# KiCad board Soldered Inkplate 10.kicad_pcb
title: Soldered Inkplate 10; date: 2023-07-24; rev: V1.3.1.; company: SOLDERED; note: 333241
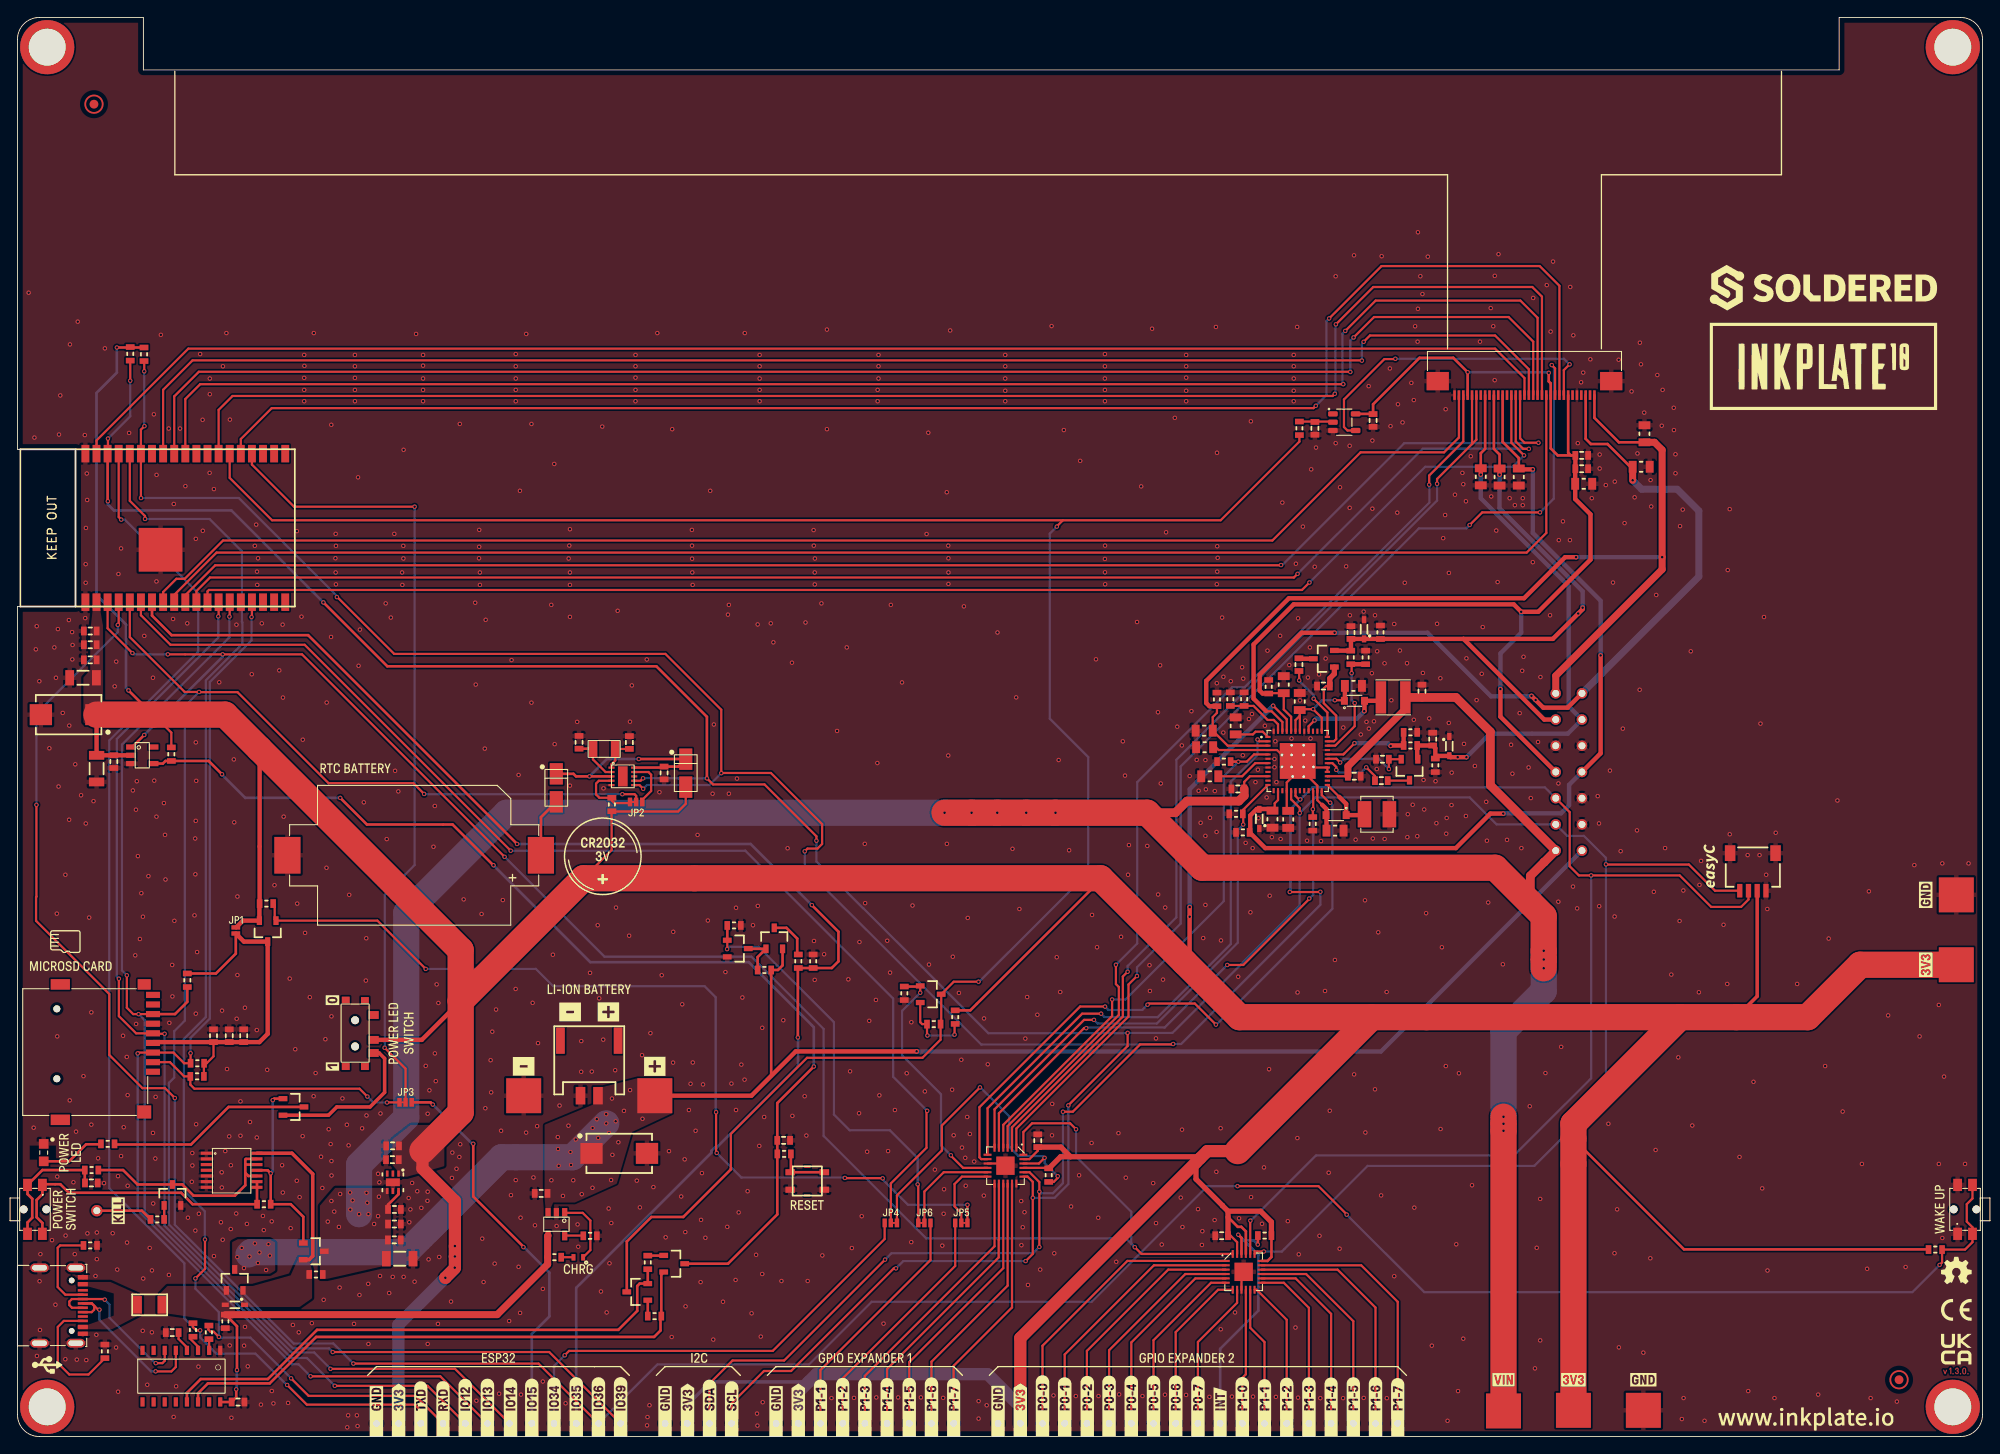
[diagram p0: board, top side]
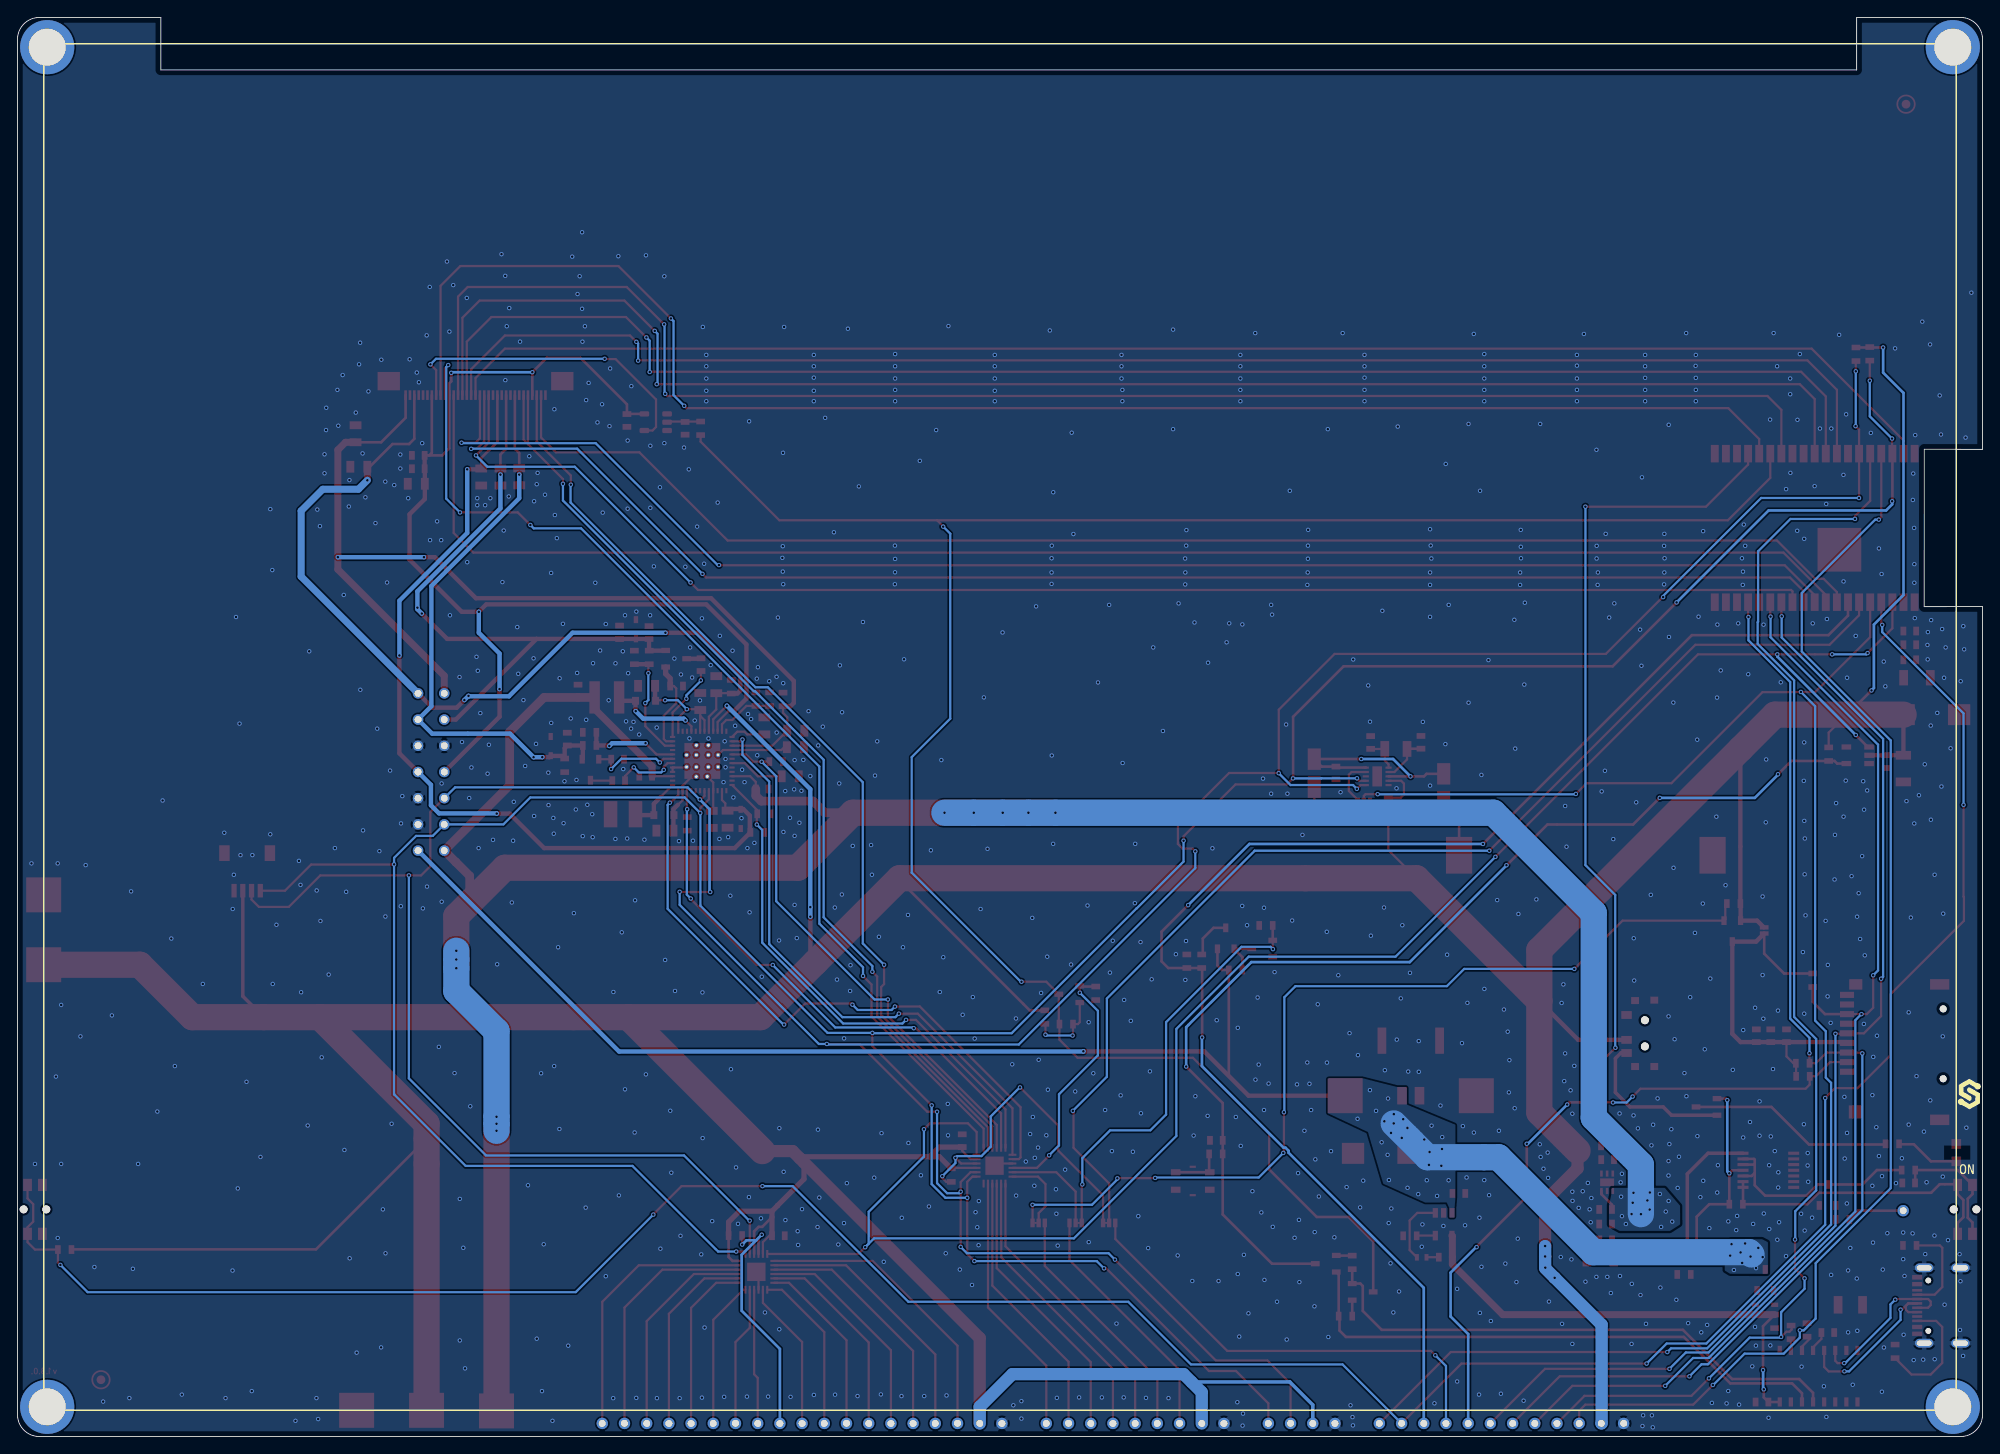
[diagram p1: board, bottom side, seen from below]

Outline 224.8 x 162.43 mm; copper layers: Top, Bottom. Coordinates in mm from the lower left corner of the outline.
Outline path: 0,159.93 arc(0.73,161.69) 2.5,162.43 14.4,162.43 14.4,156.43 208.4,156.43 208.4,162.43 222.3,162.43 arc(224.07,161.69) 224.8,159.93 224.8,2.5 arc(224.07,0.73) 222.3,0 2.5,0 arc(0.73,0.73) 0,2.5 0,95 6.67,94.99 6.66,113 0,112.99 0,159.93
Stack: Top 0.035mm / dielectric 1.51mm FR4 er 4.5 / Bottom 0.035mm

## Placement (name value [footprint] x y rotation side)
C1  4u7-TMK212AB7475KG-T  [0805C]  139.36 81.34 270 top
C2  4u7-TMK212AB7475KG-T  [0805C]  135.76 80.79 0 top
C3  4u7-TMK212AB7475KG-T  [0805C]  135.81 78.9 0 top
C4  4u7-TMK212AB7475KG-T  [0805C]  136.4 75.57 0 top
C5  10u-GRM188R61E106KA73J  [0603C]  139.61 74.12 0 top
C6  4u7-TMK212AB7475KG-T  [0805C]  143.57 70.66 90 top
C7  4u7-TMK212AB7475KG-T  [0805C]  145.37 70.64 90 top
C8  10u-GRM188R61E106KA73J  [0603C]  152.93 75.58 180 top
C9  4u7-TMK212AB7475KG-T  [0805C]  150.73 69.35 180 top
C10  10u-GRM188R61E106KA73J  [0603C]  160.67 85.32 270 top
C11  4u7-TMK212AB7475KG-T  [0805C]  152.83 85.92 180 top
C12  4u7-TMK212AB7475KG-T  [0805C]  146.69 84.13 270 top
C13  4u7-TMK212AB7475KG-T  [0805C]  144.86 86.06 270 top
C14  2u2-GRM188R61E225MA12D  [0603C]  152.55 92.03 270 top
C15  2u2-GRM188R61E225MA12D  [0603C]  161.9 79.82 270 top
C16  10n-AC0603KRX7R8BB103  [0603C]  156.03 75.07 180 top
C17  10n-AC0603KRX7R8BB103  [0603C]  146.6 88.35 90 top
C18  100n-AC0603KRX7R8BB104  [0603C]  156.15 77.53 0 top
C19  100n-AC0603KRX7R8BB104  [0603C]  149.4 85.9 0 top
C20  100n  [0603C]  25.23 3.95 180 top
C21  10u  [1206C]  9.05 76.45 90 top
C22  100n  [0603C]  17.7 11.9 0 top
C23  100n  [0603C]  11.03 77.25 90 top
C24  DNP  [2917C]  68.84 32.41 0 top
C25  2u2  [0603C]  59.91 27.82 0 top
C26  2u2  [0603C]  87.65 33.9 180 top
C27  10u  [1206C]  43.72 20.35 180 top
C28  2u2  [0603C]  43.11 22.51 180 top
C29  100n  [0603C]  43.12 24.32 180 top
C30  100n  [0603C]  43.12 25.99 180 top
C31  2u2  [0603C]  42.91 33.27 0 top
C32  100n  [0603C]  8.45 29.03 180 top
C33  100n  [0603C]  42.89 31.69 0 top
C34  12p  [0603C]  70 79.44 270 top
C35  12p  [0603C]  64.24 79.46 270 top
C36  100n  [0603C]  73.97 75.95 90 top
C37  2u2  [0603C]  25.88 45.88 270 top
C38  100n  [0603C]  24.23 45.88 270 top
C39  100n  [0603C]  22.43 45.88 270 top
C40  100p  [0603C]  148.43 115.4 90 top
C41  100n  [0603C]  155.08 116.3 90 top
C42  100n  [0603C]  178.95 110.78 180 top
C43  100n  [0603C]  178.95 112.3 180 top
C44  100n  [0603C]  116.72 33.86 270 top
C45  10u  [1206C]  7.5 86.85 0 top
C46  2u2  [0603C]  8.33 88.9 0 top
C47  100n  [0603C]  8.33 90.62 0 top
C48  100n  [0603C]  8.33 92.2 0 top
C49  DNP  [2917C]  5.85 82.62 180 top
C50  100n  [0603C]  137.75 22.99 0 top
C51  4u7-TMK212AB7475KG-T  [0805C]  186.13 114.78 270 top
C52  4u7-TMK212AB7475KG-T  [0805C]  169.55 109.83 90 top
C53  4u7-TMK212AB7475KG-T  [0805C]  167.4 109.85 90 top
C54  4u7-TMK212AB7475KG-T  [0805C]  185.75 111 180 top
C55  4u7-TMK212AB7475KG-T  [0805C]  179.17 109.05 180 top
C56  4u7-TMK212AB7475KG-T  [0805C]  171.75 109.83 90 top
D1  CUS10F30,H3F  [SOD-323-2]  150.85 71.12 180 top
D2  BAT20J  [SOD-323]  154.05 92.4 270 top
D3  CUS10F30,H3F  [SOD-323-2]  152.95 84.21 0 top
D4  BAT20J  [SOD-323]  142.06 70.69 270 top
D5  BAT20J  [SOD-323]  163.8 79.03 90 top
D6  BAT54S  [SOT-23-3]  159.25 76.32 270 top
D7  BAT54S  [SOT-23-3]  149.45 89.03 180 top
D8  RED  [0402LED]  64.16 20.51 0 top
D9  0603LED_SIDE  [LTST-S270GKT]  3 32.5 90 top
D10  BAT20J  [SOD-323]  24.88 15.08 0 top
D11  -  [M4_DIODA]  76.45 75.93 90 top
D12  -  [M4_DIODA]  61.64 74.25 90 top
F1  1206FUSE-500mA  [1206FUSE]  15.12 15.07 180 top
FD1  FIDUCIAL  [FIDUCIAL_23]  8.75 152.5 0 top
FD2  FIDUCIAL  [FIDUCIAL_23]  215.25 6.5 0 top
G***  LOGO  [Logo-Back-Soldered-3.5mm]  1.5 39.2 0 top
G***#2  LOGO  [Symbol-Front-USB]  3.4 8.2 270 top
G***#3  LOGO  [Symbol-Front-SDcard]  5.48 56.65 90 top
G***#4  LOGO  [Logo-Front-easyC-5mm]  193.65 65.3 90 top
G***#5  LOGO  [Logo-Front-OSH-3.5mm]  221.8 19 0 top
H1  -  [Standoff_M3]  221.4 159.03 0 top
H2  -  [Standoff_M3]  3.4 159.03 0 top
H3  -  [Standoff_M3]  221.4 3.4 0 top
H4  -  [Standoff_M3]  3.4 3.4 0 top
JP1  -  [SMD_JUMPER]  24.98 57.93 90 top
JP2  -  [SMD_JUMPER_3_PAD_CONNECTED_LEFT_TRACE]  70.77 72.63 0 top
JP3  -  [SMD_JUMPER_3_PAD_CONNECTED_LEFT_TRACE]  44.4 38.25 0 top
JP4  -  [SMD_JUMPER_3_PAD_CONNECTED_LEFT_TRACE]  99.91 24.45 180 top
JP5  -  [SMD_JUMPER_3_PAD_CONNECTED_LEFT_TRACE]  107.97 24.45 180 top
JP6  -  [SMD_JUMPER_3_PAD_CONNECTED_LEFT_TRACE]  103.75 24.45 0 top
K1  Inkplate_TP  [INKPLATE TEST HEADER]  177.47 76.06 0 top
K2  -  [U262-161N-4BVC11]  3 15 90 top
K3  easyC-SMD  [easyC-connector]  198.53 64.62 0 top
K4  -  [JST-2pin-SMD]  65.41 42.16 0 top
K5  -  [HEADER_MALE_1X1_Inkplate]  76.62 1.5 90 top
K6  -  [HEADER_MALE_1X1_Inkplate]  81.7 1.5 90 top
K7  -  [HEADER_MALE_1X1_Inkplate]  79.16 1.5 90 top
K8  -  [HEADER_MALE_1X1_Inkplate]  74.08 1.5 90 top
K9  -  [HEADER_MALE_1X1_Inkplate]  9.08 25.85 0 top
K10  CR2032_BS-6-1  [CR2032-BS-6-1]  45.38 66.53 0 top
K11  -  [HYC77-TF09-200]  10 44 270 top
K12  SFV33R-1STBE1HLF  [SFV33R-1STE9HLF]  172.4 120 180 top
K13  -  [HEADER_MALE_1X1_Inkplate]  61.38 1.5 180 top
K14  -  [HEADER_MALE_1X1_Inkplate]  63.92 1.5 180 top
K15  -  [HEADER_MALE_1X1_Inkplate]  43.6 1.5 0 top
K16  -  [HEADER_MALE_1X1_Inkplate]  46.14 1.5 180 top
K17  -  [HEADER_MALE_1X1_Inkplate]  48.68 1.5 180 top
K18  -  [HEADER_MALE_1X1_Inkplate]  94.4 1.5 180 top
K19  -  [HEADER_MALE_1X1_Inkplate]  96.94 1.5 180 top
K20  -  [HEADER_MALE_1X1_Inkplate]  99.48 1.5 180 top
K21  -  [HEADER_MALE_1X1_Inkplate]  104.56 1.5 180 top
K22  -  [HEADER_MALE_1X1_Inkplate]  107.1 1.5 180 top
K23  -  [HEADER_MALE_1X1_Inkplate]  102.02 1.5 180 top
K24  -  [HEADER_MALE_1X1_Inkplate]  91.86 1.5 180 top
K25  -  [HEADER_MALE_1X1_Inkplate]  56.3 1.5 180 top
K26  -  [HEADER_MALE_1X1_Inkplate]  51.22 1.5 180 top
K27  -  [HEADER_MALE_1X1_Inkplate]  53.76 1.5 180 top
K28  -  [HEADER_MALE_1X1_Inkplate]  117.26 1.5 0 top
K29  -  [HEADER_MALE_1X1_Inkplate]  119.8 1.5 0 top
K30  -  [HEADER_MALE_1X1_Inkplate]  122.34 1.5 0 top
K31  -  [HEADER_MALE_1X1_Inkplate]  124.88 1.5 0 top
K32  -  [HEADER_MALE_1X1_Inkplate]  127.42 1.5 0 top
K33  -  [HEADER_MALE_1X1_Inkplate]  129.96 1.5 0 top
K34  -  [HEADER_MALE_1X1_Inkplate]  132.5 1.5 0 top
K35  -  [HEADER_MALE_1X1_Inkplate]  135.04 1.5 0 top
K36  -  [HEADER_MALE_1X1_Inkplate]  69 1.5 180 top
K37  -  [HEADER_MALE_1X1_Inkplate]  66.46 1.5 180 top
K38  -  [HEADER_MALE_1X1_Inkplate]  58.84 1.5 180 top
K39  -  [HEADER_MALE_1X1_Inkplate]  140.12 1.5 0 top
K40  -  [HEADER_MALE_1X1_Inkplate]  142.66 1.5 0 top
K41  -  [HEADER_MALE_1X1_Inkplate]  145.2 1.5 0 top
K42  -  [HEADER_MALE_1X1_Inkplate]  147.74 1.5 0 top
K43  -  [HEADER_MALE_1X1_Inkplate]  150.28 1.5 0 top
K44  -  [HEADER_MALE_1X1_Inkplate]  152.82 1.5 0 top
K45  -  [HEADER_MALE_1X1_Inkplate]  155.36 1.5 0 top
K46  -  [HEADER_MALE_1X1_Inkplate]  157.9 1.5 0 top
K47  -  [HEADER_MALE_1X1_Inkplate]  114.72 1.5 0 top
K48  -  [HEADER_MALE_1X1_Inkplate]  112.18 1.5 0 top
K49  -  [HEADER_MALE_1X1_Inkplate]  137.58 1.5 0 top
K50  -  [HEADER_MALE_1X1_Inkplate]  89.32 1.5 0 top
K51  -  [HEADER_MALE_1X1_Inkplate]  86.78 1.5 0 top
K52  -  [HEADER_MALE_1X1_Inkplate]  41.06 1.5 0 top
kibuzzard-62EA6F76  G***  [kibuzzard-62EA6F76]  55.03 9 0 top
kibuzzard-62EA71AD  G***  [kibuzzard-62EA71AD]  132.5 3.51 90 top
kibuzzard-62EA71BF  G***  [kibuzzard-62EA71BF]  135.04 3.46 90 top
kibuzzard-62EA71CF  G***  [kibuzzard-62EA71CF]  137.58 2.83 90 top
kibuzzard-62EA72A0  G***  [kibuzzard-62EA72A0]  140.12 3.41 90 top
kibuzzard-62EA72B5  G***  [kibuzzard-62EA72B5]  142.66 3.29 90 top
kibuzzard-62EA72C4  G***  [kibuzzard-62EA72C4]  145.2 3.38 90 top
kibuzzard-62EA72D5  G***  [kibuzzard-62EA72D5]  147.74 3.4 90 top
kibuzzard-62EA72FE  G***  [kibuzzard-62EA72FE]  150.28 3.39 90 top
kibuzzard-62EA713E  G***  [kibuzzard-62EA713E]  117.26 3.52 90 top
kibuzzard-62EA717A  G***  [kibuzzard-62EA717A]  124.88 3.5 90 top
kibuzzard-62EA718B  G***  [kibuzzard-62EA718B]  127.42 3.5 90 top
kibuzzard-62EA719A  G***  [kibuzzard-62EA719A]  129.96 3.5 90 top
kibuzzard-62EA730E  G***  [kibuzzard-62EA730E]  152.82 3.41 90 top
kibuzzard-62EA738C  G***  [kibuzzard-62EA738C]  157.9 3.36 90 top
kibuzzard-62EA7151  G***  [kibuzzard-62EA7151]  119.8 3.4 90 top
kibuzzard-62EA7167  G***  [kibuzzard-62EA7167]  122.38 3.48 90 top
kibuzzard-62EA7320  G***  [kibuzzard-62EA7320]  155.36 3.41 90 top
kibuzzard-62EA7623  G***  [kibuzzard-62EA7623]  219.9 26 90 top
kibuzzard-62F64A5D  G***  [kibuzzard-62F64A5D]  6.1 53.85 0 top
kibuzzard-62F64B01  G***  [kibuzzard-62F64B01]  90.35 26.5 0 top
kibuzzard-62F64B1C  G***  [kibuzzard-62F64B1C]  64.16 19.18 0 top
kibuzzard-62F64C02  G***  [kibuzzard-62F64C02]  78 9 0 top
kibuzzard-62F64ED6  G***  [kibuzzard-62F64ED6]  24.98 59.12 0 top
kibuzzard-62F64EF1  G***  [kibuzzard-62F64EF1]  70.77 71.43 0 top
kibuzzard-62F64FB5  G***  [kibuzzard-62F64FB5]  103.75 25.65 0 top
kibuzzard-62F647A2  G***  [kibuzzard-62F647A2]  46.14 3.15 90 top
kibuzzard-62F647AE  G***  [kibuzzard-62F647AE]  48.68 3.15 90 top
kibuzzard-62F647BC  G***  [kibuzzard-62F647BC]  58.84 3.3 90 top
kibuzzard-62F6465B  G***  [kibuzzard-62F6465B]  114.72 3.05 90 top
kibuzzard-62F6465B#2  G***  [kibuzzard-62F6465B]  43.6 3.03 90 top
kibuzzard-62F6465B#3  G***  [kibuzzard-62F6465B]  76.65 3.03 90 top
kibuzzard-62F6465B#4  G***  [kibuzzard-62F6465B]  89.32 3.03 90 top
kibuzzard-62F6485B  G***  [kibuzzard-62F6485B]  96.94 3.35 90 top
kibuzzard-62F6487E  G***  [kibuzzard-62F6487E]  102.02 3.35 90 top
kibuzzard-62F6488E  G***  [kibuzzard-62F6488E]  104.56 3.38 90 top
kibuzzard-62F6489F  G***  [kibuzzard-62F6489F]  107.1 3.32 90 top
kibuzzard-62F64634  G***  [kibuzzard-62F64634]  112.18 2.9 90 top
kibuzzard-62F64634#2  G***  [kibuzzard-62F64634]  86.78 2.88 90 top
kibuzzard-62F64634#3  G***  [kibuzzard-62F64634]  74.08 2.88 90 top
kibuzzard-62F64634#4  G***  [kibuzzard-62F64634]  41.06 2.88 90 top
kibuzzard-62F64673  G***  [kibuzzard-62F64673]  79.18 3.25 90 top
kibuzzard-62F64683  G***  [kibuzzard-62F64683]  81.7 3.15 90 top
kibuzzard-62F64831  G***  [kibuzzard-62F64831]  91.86 3.25 90 top
kibuzzard-62F64846  G***  [kibuzzard-62F64846]  94.4 3.35 90 top
kibuzzard-62F64870  G***  [kibuzzard-62F64870]  99.48 3.32 90 top
kibuzzard-110,125  G***  [kibuzzard-62F64F49]  99.91 25.65 0 top
kibuzzard-630F4F9D  G***  [kibuzzard-630F4F9D]  6.1 26 90 top
kibuzzard-630F4F92  G***  [kibuzzard-630F4F92]  4.6 26 90 top
kibuzzard-630F509B  G***  [kibuzzard-630F509B]  6.7 32.5 90 top
kibuzzard-630F4237  G***  [kibuzzard-630F4237]  65.41 51.2 0 top
kibuzzard-6392DAA5  G***  [kibuzzard-6392DAA5]  72.91 42.37 0 top
kibuzzard-6392DAAE  G***  [kibuzzard-6392DAAE]  67.6 48.59 0 top
kibuzzard-6392DAB6  G***  [kibuzzard-6392DAB6]  63.22 48.59 0 top
kibuzzard-6392DAC5  G***  [kibuzzard-6392DAC5]  57.91 42.37 0 top
kibuzzard-63035A45  G***  [kibuzzard-63035A45]  61.38 3.38 90 top
kibuzzard-63035A96  G***  [kibuzzard-63035A96]  63.92 3.4 90 top
kibuzzard-630359AB  G***  [kibuzzard-630359AB]  66.46 3.38 90 top
kibuzzard-638056B3  G***  [kibuzzard-638056B3]  133.77 9 0 top
kibuzzard-638057C3  G***  [kibuzzard-638057C3]  218.3 62 90 top
kibuzzard-638057DB  G***  [kibuzzard-638057DB]  218.3 54 90 top
kibuzzard-638057EE  G***  [kibuzzard-638057EE]  170 6.5 0 top
kibuzzard-638057F8  G***  [kibuzzard-638057F8]  178 6.5 0 top
kibuzzard-6303591E  G***  [kibuzzard-6303591E]  51.22 3.3 90 top
kibuzzard-6380569C  G***  [kibuzzard-6380569C]  96.94 9 0 top
kibuzzard-6380584F  G***  [kibuzzard-6380584F]  44.75 46.15 90 top
kibuzzard-6380973E  G***  [kibuzzard-6380973E]  5.3 32.5 90 top
kibuzzard-63035436  G***  [kibuzzard-63035436]  107.97 25.65 0 top
kibuzzard-63035904  G***  [kibuzzard-63035904]  53.76 3.3 90 top
kibuzzard-63035944  G***  [kibuzzard-63035944]  56.41 3.32 90 top
kibuzzard-63035991  G***  [kibuzzard-63035991]  69 3.4 90 top
kibuzzard-63037233  G***  [kibuzzard-63037233]  44.41 39.45 0 top
kibuzzard-63805803  G***  [kibuzzard-63805803]  186 6.5 0 top
kibuzzard-63805826  G***  [kibuzzard-63805826]  11.53 25.85 90 top
kibuzzard-63805845  G***  [kibuzzard-63805845]  43 46.15 90 top
kibuzzard-63805876  G***  [kibuzzard-63805876]  36.03 42.35 90 top
kibuzzard-63805880  G***  [kibuzzard-63805880]  36.03 49.95 90 top
kibuzzard-63805968  G***  [kibuzzard-63805968]  38.67 76.49 0 top
kibuzzard-63805973  G***  [kibuzzard-63805973]  1.8 30.6 180 bottom
L1  LQH44PN4R7MP0L  [1515L]  155.53 71.22 180 top
L2  NR4012T2R2M  [NR4012]  157.38 84.6 180 top
PAD1  PAD_4x4  [PAD_4x4#2]  72.91 39.01 0 top
PAD2  PAD_4x4  [PAD_4x4#2]  57.91 39.01 0 top
PAD3  PAD_4x4  [PAD_4x4#3]  170.52 2.93 270 top
PAD4  -  [PAD_4x4]  221.8 54.2 90 top
PAD5  PAD_4x4  [PAD_4x4#2]  178 3 270 top
PAD8  PAD_4x4  [PAD_4x4#2]  186 3 270 top
PAD9  PAD_4x4  [PAD_4x4#2]  221.8 62 90 top
Q1  DNP  [SOT-23-3]  104.47 50.62 0 top
Q2  NPN  [SOT-23-3]  75.13 19.78 0 top
Q3  NPN  [SOT-23-3]  70.91 16.56 180 top
Q4  NMOS  [SOT-23-3]  82.4 55.85 0 top
Q5  PMOS  [SOT-23-3]  86.58 57.03 90 top
Q6  PMOS  [SOT-23-3]  31.58 37.72 0 top
Q7  SSM3J358R,LF  [SOT-23-3]  24.85 17.93 90 top
Q8  NPN  [SOT-23-3]  17.73 27.65 90 top
Q9  SSM3J358R,LF  [SOT-23-3]  33.9 21.2 0 top
Q10  PMOS  [SOT-23-3]  28.62 57.85 270 top
R1  10k  [0603R]  12.9 123.92 90 top
R2  NTC-NCP18XH103F03RB  [0603R]  140.33 84.4 270 top
R3  43k-RC0603FR-0743KL  [0603R]  138.75 84.4 270 top
R4  10k  [0603R]  14.48 123.88 90 top
R5  100k  [0603R]  138 77.25 180 top
R6  100k  [0603R]  139.4 71.28 180 top
R7  100k  [0603R]  148.18 70.12 270 top
R8  4k7  [0603R]  137.22 84.37 90 top
R9  4k7  [0603R]  143.14 85.82 90 top
R10  4k7  [0603R]  155.93 92.05 270 top
R11  4k7  [0603R]  140.18 69.15 0 top
R12  4k7  [0603R]  162.2 76.82 90 top
R13  1M  [0603R]  152.53 89.18 90 top
R14  47k5-RC0603FR-0747K5L  [0603R]  154.22 89.18 270 top
R15  1M  [0603R]  159.35 79.1 0 top
R16  52k3-RC0603FR-0752K3L  [0603R]  159.35 80.6 180 top
R17  5k1  [0603R]  10 9.75 90 top
R18  5k1  [0603R]  8.33 21.88 0 top
R19  DNP  [0603R]  101.45 50.73 90 top
R20  1k  [0603R]  107.28 48 90 top
R21  0R  [0603R]  104.83 47.21 180 top
R22  47k  [0603R]  17.6 78.1 90 top
R23  1k  [0603R]  20.08 12.2 90 top
R24  1k  [0603R]  21.9 11.93 90 top
R25  100k  [0603R]  81.97 58.5 180 top
R26  10k  [0603R]  72.11 19.93 270 top
R27  10k  [0603R]  72.88 13.78 0 top
R28  1k  [0603R]  61.43 20.53 0 top
R29  510k  [0603R]  85.45 53.4 0 top
R30  100k  [0603R]  89.33 54.4 90 top
R31  100k  [0603R]  91.03 54.4 270 top
R32  2k49  [0603R]  65.5 22.97 0 top
R33  47R  [0603R]  87.7 32.35 180 top
R34  DNP  [0603R]  34.15 18.55 0 top
R35  1k  [0603R]  10.33 33.5 180 top
R36  100k  [0603R]  23.78 13.18 90 top
R37  1k  [0603R]  16 24.85 180 top
R38  100k  [0603R]  28.19 26.59 0 top
R39  100k  [0603R]  8.48 30.5 0 top
R40  100k  [0603R]  28.48 61 0 top
R41  100k  [0603R]  219.4 21.4 180 top
R42  10k  [0603R]  68 72.34 270 top
R43  100k  [0603R]  20.55 41.22 0 top
R44  100k  [0603R]  20.58 42.72 0 top
R45  100k  [0603R]  19.43 52.22 90 top
R46  330R  [0603R]  146.65 115.4 90 top
R47  10k  [0603R]  117.97 29.92 270 top
R48  10k  [0603R]  142.68 23 180 top
REF**  -  [Symbol-Front-CR2032]  66.95 66.42 0 top
REF**#2  -  [Version1.3.0.]  221.8 7.5 0 top
REF**#3  -  [Logo-Front-CE-3.5mm]  221.8 14.5 0 top
REF**#4  -  [Logo-Front-Inkplate10]  206.6 122.5 0 top
REF**#5  -  [Logo-Front-SolderedFULL-26mm]  206.6 131.5 0 top
REF**#6  -  [Logo-Front-InkplateWebPage-20mm]  204.6 2 0 top
REF**#7  -  [Logo-Front-UKCA-3.5mm]  221.8 10 0 top
S1  -  [SK-3296S-01-L1]  38.62 46.15 90 top
SW1  -  [YTSA007A0151803B]  90.35 29.25 180 top
SW2  -  [K2-1114SA-A4SW-06]  2 26 270 top
SW3  -  [K2-1114SA-A4SW-06]  222.8 26 90 top
U1  TPS65186RGZR  [VQFN-49]  146.46 77.32 0 top
U2  TPS3840PL27DBVR  [SOT-23-5]  14.28 77.97 0 top
U3  CH340C  [SOP-16]  18.75 6.91 270 top
U4  MCP73831T  [SOT-23-5]  61.65 24.3 270 top
U5  MC14093BDTR2G  [TSSOP-14]  24.5 30.47 0 top
U6  -  [TPS7A2633DRVR]  42.95 29.1 270 top
U7  -  [PCF85063A]  69.25 75.56 0 top
U8  -  [SN74LVC1G34DBV]  151.78 116.1 0 top
U9  -  [PCAL6416AHF,128]  113.03 31 270 top
U10  -  [ESP32-WROVER]  19.2 104 90 top
U11  -  [PCAL6416AHF,128]  140.28 18.85 0 top
U12  E_D097OC1  [E D097OC1]  112.4 81.21 180 bottom
X1  7LC32768F12UC  [ABS07AIG-32.768KHZ-7-D-T]  67.11 78.7 180 top

## Library data of the parts
D8 = -: Package: 0402

## Footprints (pads in the part's own frame, mm; a bottom-side part is the same pattern mirrored in y, then rotated)
0402LED
  rect 0.45x0.75 smd: 1(-0.55,0) 2(0.55,0)
0603C
  rect 0.66x1 smd: 1(-0.73,0) 2(0.73,0)
0603R
  rect 0.64x1 smd: 1(-0.775,0) 2(0.775,0)
0805C
  rect 0.9x1.35 smd: 1(-0.975,0) 2(0.975,0)
1206C
  rect 1x1.75 smd: 1(-1.525,0) 2(1.525,0)
1206FUSE
  rect 1x2 smd: 1(-1.4,0) 2(1.4,0)
1515L
  rect 1.55x3 smd: 1(-1.425,0) 2(1.425,0)
2917C
  rect 2.55x2.4 smd: 1(-3.175,0) 2(3.175,0)
ABS07AIG-32.768KHZ-7-D-T
  rect 1x1.8 smd: 1(-1.275,0) 2(1.275,0)
CR2032-BS-6-1
  rect 3x4.2 smd: +(14.5,0) -(-14.5,0)
easyC-connector
  rect 0.6x1.55 smd: 1(-1.5,-2.15) 2(-0.5,-2.15) 3(0.5,-2.15) 4(1.5,-2.15)
  rect 1.2x1.8 smd: 5(-2.6,2.15) 5(2.6,2.15)
ESP32-WROVER
  rect 2x0.9 smd: 1(-8.5,11.43) 2(-8.5,10.16) 3(-8.5,8.89) 4(-8.5,7.62) 5(-8.5,6.35) 6(-8.5,5.08) 7(-8.5,3.81) 8(-8.5,2.54) 9(-8.5,1.27) 10(-8.5,0) 11(-8.5,-1.27) 12(-8.5,-2.54) 13(-8.5,-3.81) 14(-8.5,-5.08) 15(-8.5,-6.35) 16(-8.5,-7.62) 17(-8.5,-8.89) 18(-8.5,-10.16) 19(-8.5,-11.43) 20(8.5,-11.43) 21(8.5,-10.16) 22(8.5,-8.89) 23(8.5,-7.62) 24(8.5,-6.35) 25(8.5,-5.08) 26(8.5,-3.81) 27(8.5,-2.54) 28(8.5,-1.27) 29(8.5,0) 30(8.5,1.27) 31(8.5,2.54) 32(8.5,3.81) 33(8.5,5.08) 34(8.5,6.35) 35(8.5,7.62) 36(8.5,8.89) 37(8.5,10.16) 38(8.5,11.43)
  rect 5x5 smd: 39(-2.5,2.83)
FIDUCIAL_23
  round 1 smd: 1(0,0)
HEADER_MALE_1X1_Inkplate
  round 1.3 hole 0.8: 1(0,0)
HYC77-TF09-200
  round 0.8 hole 1 unplated: (-4.95,-5.5) (3.05,-5.5)
  rect 0.7x1.6 smd: 1(2.25,5.5) 2(1.15,5.5) 3(0.05,5.5) 4(-1.05,5.5) 5(-2.15,5.5) 6(-3.25,5.5) 7(-4.35,5.5) 8(-5.45,5.5) CD(-6.55,5.5)
  rect 1.2x2.2 smd: 12(7.75,-5.1) MNT(-7.75,-5.1)
  rect 1.2x1.5 smd: MNT(-7.75,4.5)
  rect 1.5x1.6 smd: MNT(6.85,4.5)